# Altium PCB slave_card_pcb.PcbDoc (part 1 of 2) (continued)
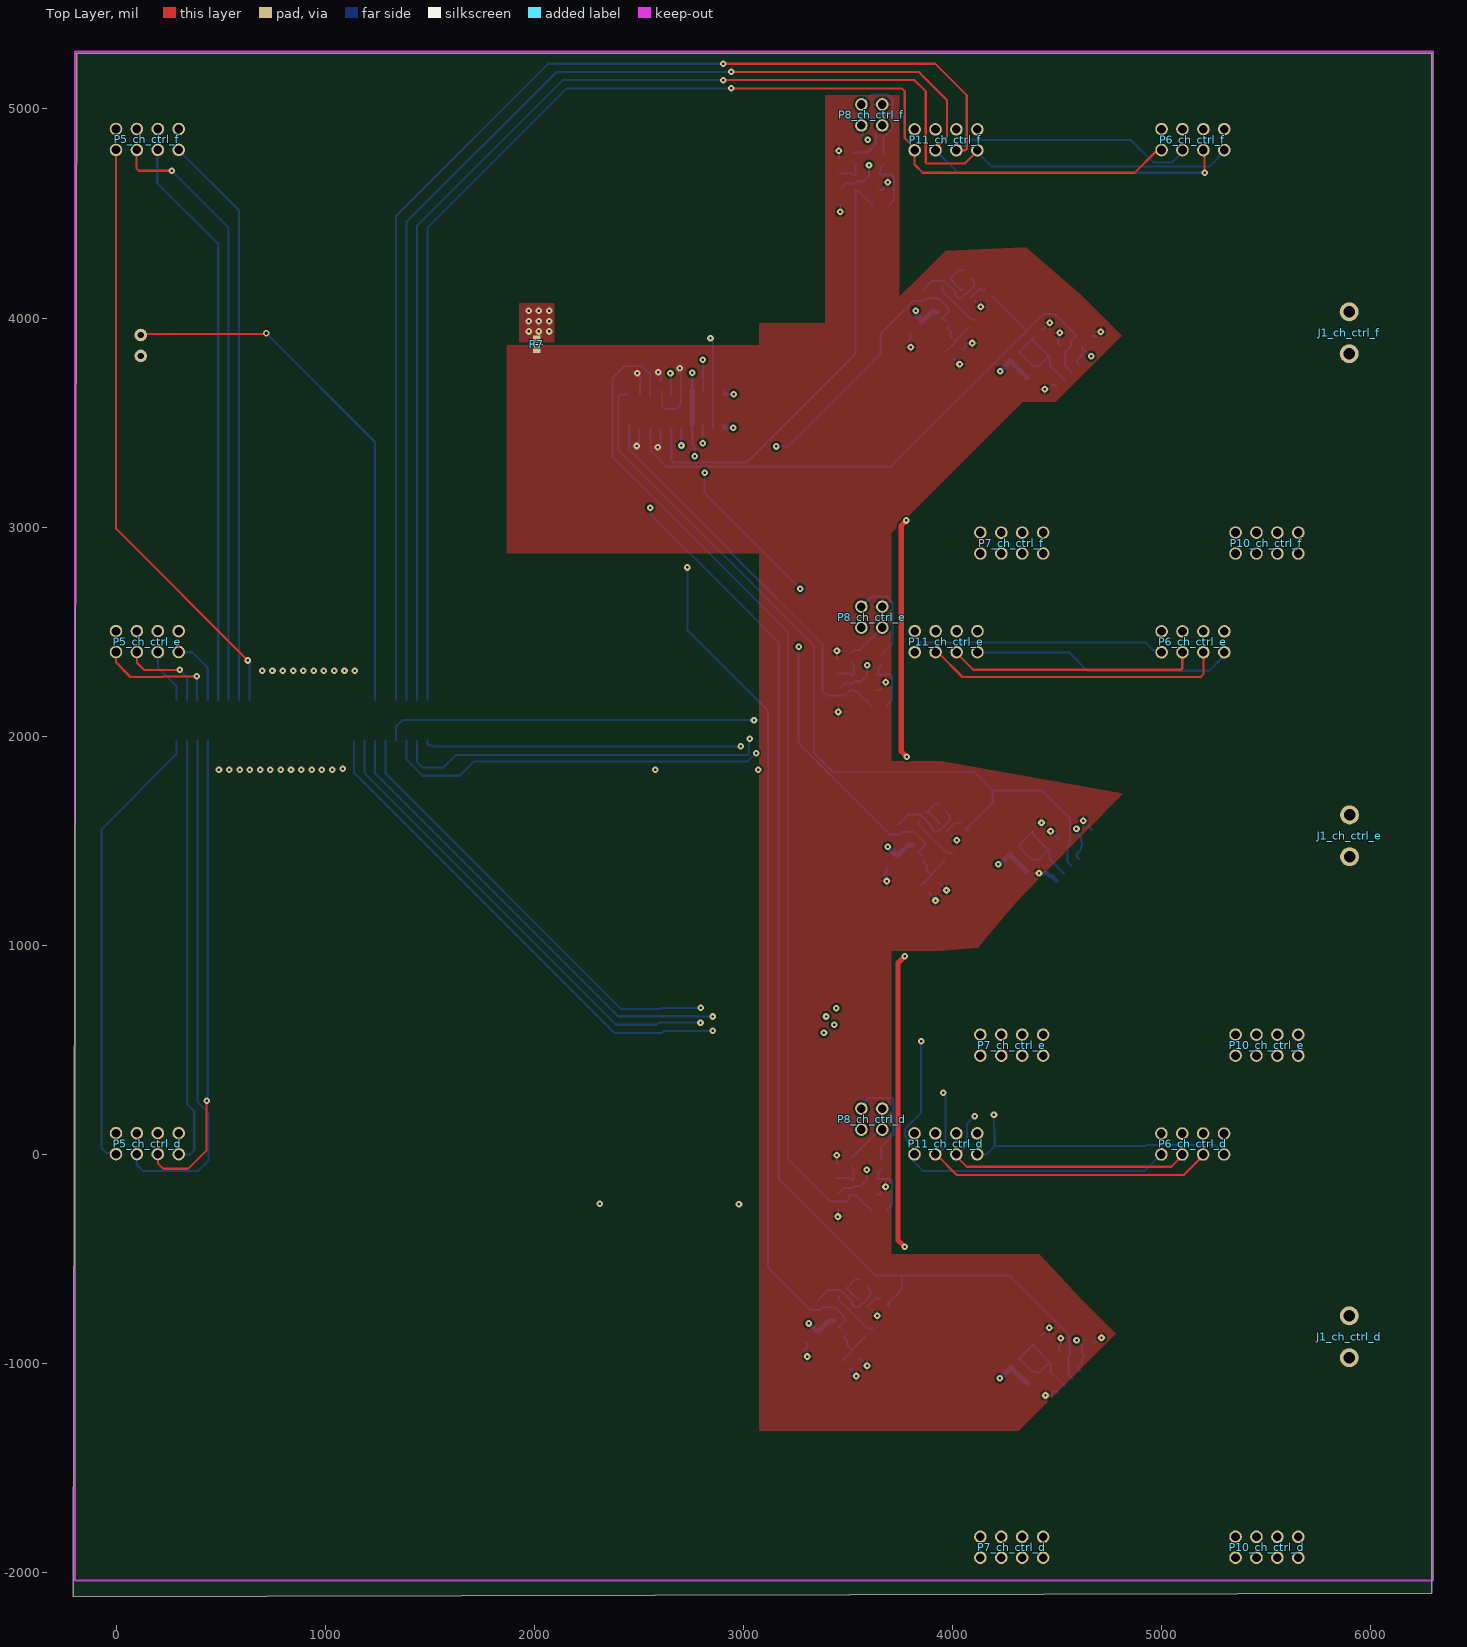
[diagram p0: Top Layer view]
## Classes and differential pairs
pad class low_clearance: U1_ch_ctrl_d-1 U1_ch_ctrl_d-2 U1_ch_ctrl_d-3 U1_ch_ctrl_d-4 U1_ch_ctrl_d-5 U1_ch_ctrl_e-1 U1_ch_ctrl_e-2 U1_ch_ctrl_e-3 U1_ch_ctrl_e-4 U1_ch_ctrl_e-5 U1_ch_ctrl_f-1 U1_ch_ctrl_f-2 U1_ch_ctrl_f-3 U1_ch_ctrl_f-4 U1_ch_ctrl_f-5 U3_isns1-1 U3_isns1-2 U3_isns1-3 U3_isns1-4 U3_isns1-5 U3_isns1-6 U3_isns1-7 U3_isns1-8 U3_isns2-1 U3_isns2-2 U3_isns2-3 U3_isns2-4 U3_isns2-5 U3_isns2-6 U3_isns2-7 U3_isns2-8 U3_isns3-1 U3_isns3-2 U3_isns3-3 U3_isns3-4 U3_isns3-5 U3_isns3-6 U3_isns3-7 U3_isns3-8 U6_isns1-1 U6_isns1-2 U6_isns1-3 U6_isns1-4 U6_isns1-5 U6_isns1-6 U6_isns1-7 U6_isns1-8 U6_isns2-1 U6_isns2-2 U6_isns2-3 U6_isns2-4 U6_isns2-5 U6_isns2-6 U6_isns2-7 U6_isns2-8 U6_isns3-1 U6_isns3-2 U6_isns3-3 U6_isns3-4 U6_isns3-5 U6_isns3-6 U6_isns3-7 U6_isns3-8
channel class current_sense: isns1 isns2 isns3
channel class channel_ctrl: ch_ctrl_d ch_ctrl_e ch_ctrl_f
component class isns3: "10nF 0603_isns3" C1_isns3 C2_isns3 C13_isns3 C24_isns3 D2_isns3 D3_isns3 R5_isns3 R6_isns3 R13_isns3 R14_isns3 R15_isns3 R16_isns3 U3_isns3 U6_isns3
component class isns2: "10nF 0603_isns2" C1_isns2 C2_isns2 C13_isns2 C24_isns2 D2_isns2 D3_isns2 R5_isns2 R6_isns2 R13_isns2 R14_isns2 R15_isns2 R16_isns2 U3_isns2 U6_isns2
component class isns1: "10nF 0603_isns1" C1_isns1 C2_isns1 C13_isns1 C24_isns1 D2_isns1 D3_isns1 R5_isns1 R6_isns1 R13_isns1 R14_isns1 R15_isns1 R16_isns1 U3_isns1 U6_isns1
component class ch_ctrl_f: C11_ch_ctrl_f J1_ch_ctrl_f P5_ch_ctrl_f P6_ch_ctrl_f P7_ch_ctrl_f P8_ch_ctrl_f P10_ch_ctrl_f P11_ch_ctrl_f R1_ch_ctrl_f R2_ch_ctrl_f R3_ch_ctrl_f R4_ch_ctrl_f U1_ch_ctrl_f
component class ch_ctrl_e: 115 C11_ch_ctrl_e J1_ch_ctrl_e P5_ch_ctrl_e P6_ch_ctrl_e P7_ch_ctrl_e P8_ch_ctrl_e P10_ch_ctrl_e P11_ch_ctrl_e R1_ch_ctrl_e R2_ch_ctrl_e R3_ch_ctrl_e R4_ch_ctrl_e U1_ch_ctrl_e
component class ch_ctrl_d: C11_ch_ctrl_d J1_ch_ctrl_d P5_ch_ctrl_d P6_ch_ctrl_d P7_ch_ctrl_d P8_ch_ctrl_d P10_ch_ctrl_d P11_ch_ctrl_d R1_ch_ctrl_d R2_ch_ctrl_d R3_ch_ctrl_d R4_ch_ctrl_d U1_ch_ctrl_d
component class tnb_mns_slave: J2 J3 P1 R7

## Components (designator, comment, footprint, x,y, rotation, side; value= is the part's Value field where it differs from the comment)
"10nF 0603_isns1" "06035C-103KAT2A" CAPC1608X90X35LL15T15 3489.64,-1006.12 r135 bottom (schematic designator "10nF 0603")
"10nF 0603_isns2" "06035C-103KAT2A" CAPC1608X90X35LL15T15 3869.7,1268.1 r135 bottom (schematic designator "10nF 0603")
"10nF 0603_isns3" "06035C-103KAT2A" CAPC1608X90X35LL15T15 3984.63,3820.49 r135 bottom (schematic designator "10nF 0603")
C1_isns1 "100nF 25V 0805" FP-CC0805-0_85-MFG 4384.72,-1073.09 r225 bottom value="100 nF" (schematic designator C1)
C1_isns2 "100nF 25V 0805" FP-CC0805-0_85-MFG 4379.3,1377.77 r225 bottom value="100 nF" (schematic designator C1)
C1_isns3 "100nF 25V 0805" FP-CC0805-0_85-MFG 4381.51,3739.52 r225 bottom value="100 nF" (schematic designator C1)
C2_isns1 "100nF 25V 0805" FP-CC0805-0_85-MFG 4489.81,-968 r225 bottom value="100 nF" (schematic designator C2)
C2_isns2 "100nF 25V 0805" FP-CC0805-0_85-MFG 4484.39,1482.86 r225 bottom value="100 nF" (schematic designator C2)
C2_isns3 "100nF 25V 0805" FP-CC0805-0_85-MFG 4486.6,3844.61 r225 bottom value="100 nF" (schematic designator C2)
C11_ch_ctrl_d "0603 50V 100nF" FP-CGA3E-0_3-0_1-IPC_A 3454.92,-223.35 r270 bottom (schematic designator C11)
C11_ch_ctrl_e "0603 50V 100nF" FP-CGA3E-0_3-0_1-IPC_A 3455.98,2189.88 r270 bottom (schematic designator C11)
C11_ch_ctrl_f "0603 50V 100nF" FP-CGA3E-0_3-0_1-IPC_A 3465.04,4581.47 r270 bottom (schematic designator C11)
C13_isns1 "0603 50V 100nF" FP-CGA3E-0_3-0_1-IPC_A 3329.57,-873.89 r225 bottom (schematic designator C13)
C13_isns2 "0603 50V 100nF" FP-CGA3E-0_3-0_1-IPC_A 3709.63,1400.33 r225 bottom (schematic designator C13)
C13_isns3 "0603 50V 100nF" FP-CGA3E-0_3-0_1-IPC_A 3824.56,3952.72 r225 bottom (schematic designator C13)
C24_isns1 "100nF 25V 0805" FP-CC0805-0_85-MFG 4645.74,-924.81 r225 bottom value="100 nF" (schematic designator C24)
C24_isns2 "100nF 25V 0805" FP-CC0805-0_85-MFG 4640.32,1526.05 r225 bottom value="100 nF" (schematic designator C24)
C24_isns3 "100nF 25V 0805" FP-CC0805-0_85-MFG 4642.53,3887.8 r225 bottom value="100 nF" (schematic designator C24)
D2_isns1 "1N914BWT" FP-502-01-MFG 3573.16,-616.38 r315 bottom value=4pF (schematic designator D2)
D2_isns2 "1N914BWT" FP-502-01-MFG 3953.22,1657.84 r315 bottom value=4pF (schematic designator D2)
D2_isns3 "1N914BWT" FP-502-01-MFG 4068.15,4210.23 r315 bottom value=4pF (schematic designator D2)
D3_isns1 "1N914BWT" FP-502-01-MFG 3475.72,-658.14 r45 bottom value=4pF (schematic designator D3)
D3_isns2 "1N914BWT" FP-502-01-MFG 3855.78,1616.08 r45 bottom value=4pF (schematic designator D3)
D3_isns3 "1N914BWT" FP-502-01-MFG 3970.71,4168.47 r45 bottom value=4pF (schematic designator D3)
J1_ch_ctrl_d "weidmuller_20A_2p_f" weidmuller_19A_2p_m 5898.67,-972.35 r90 top (schematic designator J1)
J1_ch_ctrl_e "weidmuller_20A_2p_f" weidmuller_19A_2p_m 5899.67,1423.65 r90 top (schematic designator J1)
J1_ch_ctrl_f "weidmuller_20A_2p_f" weidmuller_19A_2p_m 5897.67,3829.65 r90 top (schematic designator J1)
J2 "pin_connector_20_m" PIN_20_MALE_3220-20-0300-00 2905.91,3750.79 r270 bottom locked
J3 "pin_header_50_male_smd" pin_connector_50_m_1.27_smd 1488.58,1979.13 r90 bottom locked
P1 "Header 2H" HEADER_1_2_f 118.1,3868.9 r90 bottom
P5_ch_ctrl_d "buck_connector" header_4_2_f#1 149.61,51.18 r180 top locked (schematic designator P5)
P5_ch_ctrl_e "buck_connector" header_4_2_f#1 149.61,2452.76 r180 top locked (schematic designator P5)
P5_ch_ctrl_f "buck_connector" header_4_2_f#1 149.61,4854.33 r180 top locked (schematic designator P5)
P6_ch_ctrl_d "lega_connector" header_4_2_f#1 5149.29,49.65 r180 top locked (schematic designator P6)
P6_ch_ctrl_e "lega_connector" header_4_2_f#1 5150.47,2451.59 r180 top locked (schematic designator P6)
P6_ch_ctrl_f "lega_connector" header_4_2_f#1 5150.32,4853.65 r180 top locked (schematic designator P6)
P7_ch_ctrl_d "Header 8" header_4_2_f#2 4283.86,-1879.13 r0 top locked (schematic designator P7)
P7_ch_ctrl_e "Header 8" header_4_2_f#2 4283.86,522.44 r0 top locked (schematic designator P7)
P7_ch_ctrl_f "Header 8" header_4_2_f#2 4283.86,2924.02 r0 top locked (schematic designator P7)
P8_ch_ctrl_d "Header 4" header_2_2_f 3614.67,168.65 r270 top locked (schematic designator P8)
P8_ch_ctrl_e "Header 4" header_2_2_f 3614.67,2569.65 r270 top (schematic designator P8)
P8_ch_ctrl_f "Header 4" header_2_2_f 3614.67,4971.65 r270 top (schematic designator P8)
P10_ch_ctrl_d "Header 8" header_4_2_f#2 5504.33,-1879.13 r0 top locked (schematic designator P10)
P10_ch_ctrl_e "Header 8" header_4_2_f#2 5504.33,522.44 r0 top locked (schematic designator P10)
P10_ch_ctrl_f "Header 8" header_4_2_f#2 5504.33,2924.02 r0 top locked (schematic designator P10)
P11_ch_ctrl_d "legb_connector" header_4_2_f#1 3968.86,50.35 r180 top locked (schematic designator P11)
P11_ch_ctrl_e "legb_connector" header_4_2_f#1 3970,2452.36 r180 top locked (schematic designator P11)
P11_ch_ctrl_f "legb_connector" header_4_2_f#1 3969.29,4852.65 r180 top locked (schematic designator P11)
R1_ch_ctrl_d "Res1" "RES 0805_2012" 3653.72,-268.35 r180 bottom value=1K (schematic designator R1)
R1_ch_ctrl_e "Res1" "RES 0805_2012" 3654.78,2144.88 r180 bottom value=1K (schematic designator R1)
R1_ch_ctrl_f "Res1" "RES 0805_2012" 3663.83,4536.47 r180 bottom value=1K (schematic designator R1)
R2_ch_ctrl_d "Res1" "RES 0603_1608" 3659.92,-48.35 r270 bottom value=1K (schematic designator R2)
R2_ch_ctrl_e "Res1" "RES 0603_1608" 3660.98,2364.88 r270 bottom value=1K (schematic designator R2)
R2_ch_ctrl_f "Res1" "RES 0603_1608" 3670.04,4756.47 r270 bottom value=1K (schematic designator R2)
R3_ch_ctrl_d "Res1" "RES 0603_1608" 3519.92,-38.35 r270 bottom value=1K (schematic designator R3)
R3_ch_ctrl_e "Res1" "RES 0603_1608" 3520.98,2374.88 r270 bottom value=1K (schematic designator R3)
R3_ch_ctrl_f "Res1" "RES 0603_1608" 3530.04,4766.47 r270 bottom value=1K (schematic designator R3)
R4_ch_ctrl_d "Res1" "RES 0805_2012" 3449.92,-78.35 r270 bottom value=1K (schematic designator R4)
R4_ch_ctrl_e "Res1" "RES 0805_2012" 3450.98,2334.88 r270 bottom value=1K (schematic designator R4)
R4_ch_ctrl_f "Res1" "RES 0805_2012" 3460.04,4726.47 r270 bottom value=1K (schematic designator R4)
R5_isns1 "10k 0603 0.1%" RESC1608X55X30ML20T20 4300.51,-995.84 r225 bottom (schematic designator R5)
R5_isns2 "10k 0603 0.1%" RESC1608X55X30ML20T20 4295.09,1455.02 r225 bottom (schematic designator R5)
R5_isns3 "10k 0603 0.1%" RESC1608X55X30ML20T20 4297.3,3816.77 r225 bottom (schematic designator R5)
R6_isns1 "10k 0603 0.1%" RESC1608X55X30ML20T20 4409.78,-886.57 r225 bottom (schematic designator R6)
R6_isns2 "10k 0603 0.1%" RESC1608X55X30ML20T20 4404.36,1564.29 r225 bottom (schematic designator R6)
R6_isns3 "10k 0603 0.1%" RESC1608X55X30ML20T20 4406.57,3926.04 r225 bottom (schematic designator R6)
R7 "0" "RES 0603_1608" 2011.81,3874.02 r90 top
R13_isns1 "0603 10k" "RES 0603_1608" 3378.28,-713.82 r315 bottom value=1K (schematic designator R13)
R13_isns2 "0603 10k" "RES 0603_1608" 3758.34,1560.4 r315 bottom value=1K (schematic designator R13)
R13_isns3 "0603 10k" "RES 0603_1608" 3873.28,4112.8 r315 bottom value=1K (schematic designator R13)
R14_isns1 "0603 100" "RES 0603_1608" 3601,-853.01 r225 bottom value=1K (schematic designator R14)
R14_isns2 "0603 100" "RES 0603_1608" 3981.06,1421.21 r225 bottom value=1K (schematic designator R14)
R14_isns3 "0603 100" "RES 0603_1608" 4095.99,3973.6 r225 bottom value=1K (schematic designator R14)
R15_isns1 "0603 Jumper" "RES 0603_1608" 3677.55,-706.86 r135 bottom value=1K (schematic designator R15)
R15_isns2 "0603 Jumper" "RES 0603_1608" 4057.61,1567.36 r135 bottom value=1K (schematic designator R15)
R15_isns3 "0603 Jumper" "RES 0603_1608" 4172.54,4119.75 r135 bottom value=1K (schematic designator R15)
R16_isns1 "0603 100k" "RES 0603_1608" 3538.36,-957.4 r135 bottom value=1K (schematic designator R16)
R16_isns2 "0603 100k" "RES 0603_1608" 3918.42,1316.81 r135 bottom value=1K (schematic designator R16)
R16_isns3 "0603 100k" "RES 0603_1608" 4033.35,3869.21 r135 bottom value=1K (schematic designator R16)
U1_ch_ctrl_d "LMC7101QM5X/NOPB" DBV0005A_M 3582.54,-155.01 r0 bottom (schematic designator U1)
U1_ch_ctrl_e "LMC7101QM5X/NOPB" DBV0005A_M 3583.6,2258.21 r0 bottom (schematic designator U1)
U1_ch_ctrl_f "LMC7101QM5X/NOPB" DBV0005A_M 3592.66,4649.81 r0 bottom (schematic designator U1)
U3_isns1 "TMCS1100A1QDR" SOIC8 4760.8,-1187.1 r135 bottom (schematic designator U3)
U3_isns2 "TMCS1100A1QDR" SOIC8 4755.38,1263.77 r135 bottom (schematic designator U3)
U3_isns3 "TMCS1100A1QDR" SOIC8 4757.6,3625.51 r135 bottom (schematic designator U3)
U6_isns1 "LTC6244HMS8#TRPBF" LT-MS8-8_L 3524.44,-776.45 r225 bottom (schematic designator U6)
U6_isns2 "LTC6244HMS8#TRPBF" LT-MS8-8_L 3904.5,1497.77 r225 bottom (schematic designator U6)
U6_isns3 "LTC6244HMS8#TRPBF" LT-MS8-8_L 4019.43,4050.16 r225 bottom (schematic designator U6)

## Footprints (in the part's own frame and the unit in brackets; to place one, negate y for a bottom-side part, rotate by r counter-clockwise, add the part's x,y. Pads: shape width x height; smd on the part's side, far side on the other; paste and mask are expansions set on the pad)
CAPC1608X90X35LL15T15 [mm] "Chip Capacitor, 2-Leads, Body 1.60x0.81mm, IPC High Density"
  rect 0.85x0.9 smd: 1(-0.65,0) 2(0.65,0)
  body extent -0.88,-0.48 0.88,0.48, height 0.9
DBV0005A_M [mm] "SOT23, 5-Leads, Body 3.05x1.75mm, Pitch 0.95mm, IPC Low Density"
  rrect15% 1.2x0.65 smd mask+0.051: 1(-1.475,0.95) 2(-1.475,0) 3(-1.475,-0.95) 4(1.475,-0.95) 5(1.475,0.95)
  silkscreen extent -1.6,-1.55 0.5,1.95, body extent -1.42,-1.46 1.42,1.46, height 1.08
FP-502-01-MFG [mm]
  rect 0.48x0.4 smd paste+0 mask+0: 1(-0.66,0) 2(0.66,0)
  silkscreen extent -1.62,-0.45 0.05,0.45, body extent -0.8,-0.4 0.8,0.4, height 0.7
FP-CC0805-0_85-MFG [mm]
  rect 0.95x1.4 smd paste+0 mask+0: 1(-0.925,0) 2(0.925,0)
  silkscreen extent -0.08,-0.72 0.08,0.72, body extent -1,-0.63 1,0.63, height 0.95
FP-CGA3E-0_3-0_1-IPC_A [mm]
  rect 0.956x1.206 smd paste+0 mask+0: 1(-1.025,0) 2(1.025,0)
  silkscreen extent -0.25,-0.6 0.25,0.6, body extent -0.8,-0.4 0.8,0.4, height 1.1
HEADER_1_2_f [mil]
  round 60 hole 30: 1(-50,0) 2(50,0)
  body extent -100,-50 100,50, height 335
header_2_2_f [mil]
  round 60 hole 41.34: 1(-50,50) 2(-50,-50) 3(50,50) 4(50,-50)
  body extent -100,-100 100,100, height 335
header_4_2_f#1 [mil]
  round 60 hole 41.34: 1(-150,50) 2(-150,-50) 3(-50,50) 4(-50,-50) 5(50,50) 6(50,-50) 7(150,50) 8(150,-50)
  body extent -201,-100 199,100, height 335
header_4_2_f#2 [mil]
  round 60 hole 41.34: 1(-150,-50) 2(-150,50) 3(-50,-50) 4(-50,50) 5(50,-50) 6(50,50) 7(150,-50) 8(150,50)
  body extent -200,-100 200,100, height 335
LT-MS8-8_L [mm] "SOP, 8-Leads, Body 3x3mm, Pitch 0.65mm, IPC High Density"
  oval 1.3x0.45 smd: 1(-2.1,0.975) 2(-2.1,0.325) 3(-2.1,-0.325) 4(-2.1,-0.975) 5(2.1,-0.975) 6(2.1,-0.325) 7(2.1,0.325) 8(2.1,0.975)
  silkscreen extent -2.22,-1.55 1.05,1.87, body extent -1.55,-1.55 1.55,1.55, height 1.1
PIN_20_MALE_3220-20-0300-00 [mm]
  rect 2.77x0.65 smd: 1(2.54,0) 2(6.604,0) 3(2.54,1.27) 4(6.604,1.27) 5(2.54,2.54) 6(6.604,2.54) 7(2.54,3.81) 8(6.604,3.81) 9(2.54,5.08) 10(6.604,5.08) 11(2.54,6.35) 12(6.604,6.35) 13(2.54,7.62) 14(6.604,7.62) 15(2.54,8.89) 16(6.604,8.89) 17(2.54,10.16) 18(6.604,10.16) 19(2.54,11.43) 20(6.604,11.43)
  body extent 1.69,-3.78 7.19,15.22, height 5.4
pin_connector_50_m_1.27_smd [mm]
  rect 4.09x0.74 smd: 1(0,0)
  oval 4.09x0.74 smd: 2(0,-1.27) 3(0,-2.54) 4(0,-3.81) 5(0,-5.08) 6(0,-6.35) 7(0,-7.62) 8(0,-8.89) 9(0,-10.16) 10(0,-11.43) 11(0,-12.7) 12(0,-13.97) 13(0,-15.24) 14(0,-16.51) 15(0,-17.78) 16(0,-19.05) 17(0,-20.32) 18(0,-21.59) 19(0,-22.86) 20(0,-24.13) 21(0,-25.4) 22(0,-26.67) 23(0,-27.94) 24(0,-29.21) 25(0,-30.48) 26(4.95,-30.48) 27(4.95,-29.21) 28(4.95,-27.94) 29(4.95,-26.67) 30(4.95,-25.4) 31(4.95,-24.13) 32(4.95,-22.86) 33(4.95,-21.59) 34(4.95,-20.32) 35(4.95,-19.05) 36(4.95,-17.78) 37(4.95,-16.51) 38(4.95,-15.24) 39(4.95,-13.97) 40(4.95,-12.7) 41(4.95,-11.43) 42(4.95,-10.16) 43(4.95,-8.89) 44(4.95,-7.62) 45(4.95,-6.35) 46(4.95,-5.08) 47(4.95,-3.81) 48(4.95,-2.54) 49(4.95,-1.27) 50(4.95,0)
  body extent -1.3,-38.42 6.22,7.82, height 11.67
"RES 0603_1608" [mm] "Chip Resistor, 2-Leads, Body 1.60x0.80mm, IPC Medium Density"
  rect 0.85x0.95 smd: 1(-0.65,0) 2(0.65,0)
  silkscreen extent -1.27,-0.7 1.27,0.7, body extent -0.8,-0.4 0.8,0.4, height 0.45
"RES 0805_2012" [mm] "Chip Resistor, 2-Leads, Body 2.00x1.25mm, IPC Medium Density"
  rect 1.15x1.35 smd: 1(-0.875,0) 2(0.875,0)
  silkscreen extent -1.7,-0.9 1.7,0.9, body extent -1,-0.62 1,0.63, height 0.6
RESC1608X55X30ML20T20 [mm] "Chip Resistor, 2-Leads, Body 1.60x0.80mm, IPC Low Density"
  rect 1x1.1 smd: 1(-0.7,0) 2(0.7,0)
  body extent -0.9,-0.5 0.9,0.5, height 0.55
SOIC8 [mm]
  rect 2x0.6 smd: 1(0,0)
  oval 2x0.6 smd: 2(0,-1.27) 3(0,-2.54) 4(0,-3.81) 5(5.4,-3.81) 6(5.4,-2.54) 7(5.4,-1.27) 8(5.4,0)
  body extent -0.49,-4.45 5.49,0.45, height 1.35
weidmuller_19A_2p_m [mm]
  round 2.3 hole 1.4: 1(0,0) 2(5.08,0)
  body extent -3.4,-9.94 8.52,2.06, height 9.63

## Part data
"10nF 0603_isns1" "10nF 0603_isns2" "10nF 0603_isns3": library part CMP-2006-04374-1, Manufacturer="AVX Interconnect / Elco", Part Number=06035C-103KAT2A
C1_isns1 C1_isns2 C1_isns3 C2_isns1 C2_isns2 C2_isns3 C24_isns1 C24_isns2 C24_isns3: library part CMP-1036-04410-2, "CAP CER 0.1UF 25V X7R 0805", Capacitance="100 nF", Manufacturer=Yageo, Manufacturer Part Number=CC0805KRX7R8BB104, Package=CC0805-0.85, Temperature="-30°C to +85°C", Temperature Characteristic=X7R, Temperature Range High=+85°C, Temperature Range Low=-30°C, Tolerance=0.1, Voltage Rating="25 V", Automotive=No, Category=Cap, ComponentLink2Description=Datasheet, ComponentLink2URL=http://www.yageo.com/documents/recent/UPY-GPHC_Y5V_6.3V-to-50V_8.pdf, Device Class L1="Passive Components", Device Class L2=Capacitors, Device Class L3="Ceramic Capacitors", Digikey Description="CAP CER 0.1UF 25V X7R 0805", Footprint Url=http://www.yageo.com/exep/pages/download/literatures/UPY-C_GEN_24.pdf, Height=0.95mm, Ipc Land Pattern Name=CAPC200125X85, Lead Free=Yes, Material=Ceramic, Mouser Description="Multilayer Ceramic Capacitors MLCC - SMD/SMT 100nF 25V X7R 10%", Octopart=https://octopart.com/cc0805krx7r8bb104-yageo-39467766, RoHS=TRUE
C11_ch_ctrl_d C11_ch_ctrl_e C11_ch_ctrl_f C13_isns1 C13_isns2 C13_isns3: library part CMP-2000-07546-2, "Cap Ceramic 100nF 50V X7R 10% Pad SMD 0603 +125°C Automotive T/R / CGA3E2X7R1H104K080AA", Capacitance=100nF, Case Code (Imperial)=0603, Case Code (Metric)=1608, Dielectric=X7R, Max Operating Temperature=125°C, Min Operating Temperature=-55°C, Package Quantity=1, Ratings=AEC-Q200, Tolerance=10%, Voltage=50V, Case/Package=0603, Composition=Ceramic, Depth=0.8mm, Height=0.8mm, Lead Free="Lead Free", Length=1.6mm, Mount="Surface Mount", Packaging="Tape and Reel", Radiation Hardening=No, REACH SVHC="No SVHC", Termination=SMD/SMT, Thickness=0.035inch, Voltage Rating=50V, Voltage Rating (DC)=50V, Weight=7.1E-05oz, Width=0.8mm
D2_isns1 D2_isns2 D2_isns3 D3_isns1 D3_isns2 D3_isns3: library part CMP-07163-000008-1, "DIODE GEN PURP 75V 200MA SOD523F", Capacitance=4pF, Forward Current=300mA, Manufacturer="ON Semiconductor", Max Junction Temp=+150°C, Max Repetitive Reverse Voltage=75V, Package=502-01, Peak Reverse Current=5uA, Reverse Voltage=100V, Temperature="-55°C to +150°C", Temperature Range Low=-55°C, Automotive=No, Category=Diode, ComponentLink2Description=Datasheet, ComponentLink2URL=https://www.onsemi.com/pub/Collateral/1N914BWT-D.pdf, Device Class L1="Discrete Semiconductors", Device Class L2=Diodes, Device Class L3="Rectifier Diodes", Digikey Description="DIODE GEN PURP 75V 200MA SOD523F", Footprint Url=https://www.onsemi.com/pub/Collateral/502-01.PDF, Height=0.7mm, Ipc Land Pattern Name=SODFL16080X60, Lead Free=Yes, Manufacturer Part Number=1N914BWT, Mouser Description="Diodes - General Purpose, Power, Switching SINGLE JUNC. 100V 4.0NS COMP", Octopart=https://octopart.com/1n914bwt-on+semiconductor-84323166, RoHS=TRUE, Temperature Range High=+150°C
J1_ch_ctrl_d J1_ch_ctrl_e J1_ch_ctrl_f: "Connector Block 19A Male Receptor", Supplier Part Number 1=281-4354-ND, Supplier 1=Digi-Key
J2: Supplier Part Number 1=1175-1637-ND, Supplier 1=Digi-Key
J3: "Mating Product : 952-2565-ND", Supplier Part Number 1=952-2652-1-ND, Supplier 1=Digi-Key
P1: "Header, 2-Pin, Right Angle", LatestRevisionDate=17-Jul-2002, LatestRevisionNote="Re-released for DXP Platform.", Publisher="Altium Limited"
P5_ch_ctrl_d P5_ch_ctrl_e P5_ch_ctrl_f P6_ch_ctrl_d P6_ch_ctrl_e P6_ch_ctrl_f P11_ch_ctrl_d P11_ch_ctrl_e P11_ch_ctrl_f: library part "Header 4X2", "Header, 4-Pin, Dual row", LatestRevisionDate=17-Jul-2002, LatestRevisionNote="Re-released for DXP Platform.", Publisher="Altium Limited", System=Connector
P7_ch_ctrl_d P7_ch_ctrl_e P7_ch_ctrl_f P10_ch_ctrl_d P10_ch_ctrl_e P10_ch_ctrl_f: "Header, 8-Pin", LatestRevisionDate=17-Jul-2002, LatestRevisionNote="Re-released for DXP Platform.", Publisher="Altium Limited"
P8_ch_ctrl_d P8_ch_ctrl_e P8_ch_ctrl_f: "Header, 4-Pin", LatestRevisionDate=17-Jul-2002, LatestRevisionNote="Re-released for DXP Platform.", Publisher="Altium Limited"
R1_ch_ctrl_d R1_ch_ctrl_e R1_ch_ctrl_f R2_ch_ctrl_d R2_ch_ctrl_e R2_ch_ctrl_f R3_ch_ctrl_d R3_ch_ctrl_e R3_ch_ctrl_f R4_ch_ctrl_d R4_ch_ctrl_e R4_ch_ctrl_f: "Resistor", LatestRevisionDate=17-Jul-2002, LatestRevisionNote="Re-released for DXP Platform.", PackageDescription="Axial Device, Thru-Hole; 2 Leads; 0.3 in Pin Spacing", PackageReference=AXIAL-0.3, Published=8-Jun-2000, Publisher="Altium Limited"
R5_isns1 R5_isns2 R5_isns3 R6_isns1 R6_isns2 R6_isns3: library part CMP-2000-00874-1, "ERA-3AEB103V", Manufacturer=Panasonic, Part Number=ERA-3AEB103V
R7 R13_isns1 R13_isns2 R13_isns3 R14_isns1 R14_isns2 R14_isns3 R15_isns1 R15_isns2 R15_isns3 R16_isns1 R16_isns2 R16_isns3: library part Res1, "Resistor", LatestRevisionDate=17-Jul-2002, LatestRevisionNote="Re-released for DXP Platform.", PackageDescription="Axial Device, Thru-Hole; 2 Leads; 0.3 in Pin Spacing", PackageReference=AXIAL-0.3, Published=8-Jun-2000, Publisher="Altium Limited"
U1_ch_ctrl_d U1_ch_ctrl_e U1_ch_ctrl_f: library part CMP-0055-01329-3, "Tiny Low power Operational Amplifier with Rail-to-Rail Input and Output, 5-pin SOT-23, Pb-Free", Manufacturer="Texas Instruments", Package Reference=DBV0005A, PackageTopMarking=AT6A*XTT, PowerWise=N, ComponentLink1Description="Datasheet URL", ComponentLink1URL=http://www.ti.com/general/docs/lit/getliterature.tsp?genericPartNumber=LMC7101Q-Q1&fileType=pdf, CompType=Amplifiers, PackageDescription="Molded SOT-23, .115 x .063 x .040 in Body, 5 Lead, .0375 in Pitch", PinCount=5, RoHS=Y
U3_isns1 U3_isns2 U3_isns3: "TMCS1100A1QDR / 50mV/A , 1.8mOhm , 3V-5.5V", Supplier Part Number 1=296-TMCS1100A1QDRCT-ND, Supplier 1=Digi-Key
U6_isns1 U6_isns2 U6_isns3: library part CMP-0359-00848-2, "Dual Channel, Low Noise, CMOS Operational Amplifier, RRO, 50 MHz Typical GBW, 35 V/us Typical SR, 2.8 to 6 V, 8-Pin SOP (MS8-8), High Temperature / Automotive, Pb-Free, Reel", Linear Technology Part Number=LTC6244, Manufacturer="Linear Technology", Channels (#)=2, ComponentLink1Description="Manufacturer URL", ComponentLink1URL=http://www.linear.com/, ComponentLink2Description=Datasheet, ComponentLink2URL=http://cds.linear.com/docs/en/datasheet/6244fb.pdf, ComponentLink3Description="Package Specification", ComponentLink3URL=http://cds.linear.com/docs/en/packaging/05081610_G_SO8.pdf, DatasheetVersion="Rev. B", GBW (MHz) Typical=50, Is (mA) Typical=6.25, Mounting Technology="Surface Mount", PackageDescription="8-Lead Plastic Small Outline, Body 3.9 x 4.9 mm, Pitch 1.27 mm", PackageReference=LT-MS8-8, PackageVersion="Rev G", Packing=Reel, PartNumber=LTC6244HMS8#TRPBF, RevisionNote="URLs updated", RoHS=Pb-Free, SR (V/us) Typical=35, Type=VFB, Vos (mV) Typical=0.04, Vs Max (V)=6, Vs Min (V)=2.8

## Via types
v1: diameter 31.5, hole 11.81, Top Layer to Bottom Layer, tented both sides, 132 vias
v2: diameter 31.5, hole 15.75, Top Layer to Bottom Layer, 1 vias

## Nets (pads, with @x,y where several pads share a name; then routed paths per layer and width w, separated by ;. In a path a pad name is that pad's centre, name@x,y a point inside that pad or via, vN(x,y) a via of type N, cw(c..) or ccw(c..) an arc to the next point about the centre after c; other vN are vias at no path point)
+3.3: J2.3 J2.4 J3.34 J3.35 J3.36 J3.37 J3.38 J3.39 J3.40 J3.41 J3.42 J3.43 P5_ch_ctrl_d.2 P5_ch_ctrl_d.4 P5_ch_ctrl_e.2 P5_ch_ctrl_e.4 P5_ch_ctrl_f.2 P5_ch_ctrl_f.4 P6_ch_ctrl_d.2 P6_ch_ctrl_d.4 P6_ch_ctrl_e.2 P6_ch_ctrl_e.4 P6_ch_ctrl_f.2 P6_ch_ctrl_f.4 P11_ch_ctrl_d.2 P11_ch_ctrl_d.4 P11_ch_ctrl_e.2 P11_ch_ctrl_e.4 P11_ch_ctrl_f.2 P11_ch_ctrl_f.4 | length 3972.9
  Int1 (GND) w25: v1(2979.28,-238.94) 3698.06,-238.94 3858.27,-78.74 ; v1(3070.87,1840.55) 3927.17,1840.55 4212.6,2125.98 4212.6,2293.31
  Int2 (PWR) w25: v1(2312.99,-236.22) 2644.15,-236.22 2646.87,-238.94 v1(2979.28,-238.94) ; v1(2578.74,1840.55) v1(3070.87,1840.55)
  Bottom Layer w10: v1(2843.03,3904.3) 2843.03,3899.94 2855.28,3887.69 J2.4@2855.28,3468.61
  other v1: 698.82,2312.99 748.03,2312.99 797.24,2312.99 846.46,2312.99 895.67,2312.99 944.88,2312.99 994.09,2312.99 1043.31,2312.99 1092.52,2312.99 1141.73,2312.99
+3ref: C1_isns1.2 C1_isns2.2 C1_isns3.2 J2.7 J2.8 R5_isns1.2 R5_isns2.2 R5_isns3.2 | length 8653.2
  Top Layer w25: v1(3772.05,-442.13) 3740.33,-410.41 3740.33,914.94 v1(3772.19,946.8) ; v1(3779.65,3031.93) 3755.21,3007.48 3755.21,1928.2 v1(3781.77,1901.64)
  Int2 (PWR) w25: v1@2767.5,3339.47 3455.02,3339.47 3772.05,3022.44 3779.65,3030.04 v1(3779.65,3031.93) ; v1(3772.05,-442.13) 3772.05,-616.49 v1(4227.32,-1071.77) ; v1(3772.19,946.8) 3772.19,1415.39 3768.15,1419.43 3768.15,1886.26 3781.77,1899.88 v1(3781.77,1901.64) 4219.34,1464.06 v1(4219.34,1387.86)
  Int2 (PWR) w50: v1(2755.56,3737.58) 4004.3,3737.58 4013.18,3728.69 4211.37,3728.69 v1(4228.79,3746.11)
  Bottom Layer w10: J2.7@2748.43,3633.57 2748.43,3650.79 2756.03,3658.39 2755.73,3658.69 2755.73,3737.41 v1(2755.56,3737.58)
  Bottom Layer w12: J2.8@2755.64,3474.1 2755.64,3393.55 2768.11,3381.08 2768.11,3340.79 v1(2766.79,3339.47)
  Bottom Layer w25: J2.8@2755.91,3490.79 2755.91,3633.57 J2.7@2755.91,3650.79 ; v1(4219.34,1387.86) 4227.92,1387.86 R5_isns2.2@4275.6,1435.54 4275.6,1432.75 4353.55,1354.8 C1_isns2.2@4353.55,1352.02 ; v1(4227.32,-1071.77) 4281.02,-1018.07 R5_isns1.2@4281.02,-1015.33 ; v1(4228.79,3746.11) 4228.79,3748.26 R5_isns3.2@4277.81,3797.28 4277.81,3794.5 4355.76,3716.55 C1_isns3.2@4355.76,3713.77 ; R5_isns1.2@4281.02,-1018.11 4358.97,-1096.06 C1_isns1.2@4358.97,-1098.84
+5A: C11_ch_ctrl_d.1 C11_ch_ctrl_e.1 C11_ch_ctrl_f.1 C13_isns1.1 C13_isns2.1 C13_isns3.1 C24_isns1.2 C24_isns2.2 C24_isns3.2 J2.1 J2.2 P8_ch_ctrl_d.4 P8_ch_ctrl_e.4 P8_ch_ctrl_f.4 U1_ch_ctrl_d.2 U1_ch_ctrl_e.2 U1_ch_ctrl_f.2 U3_isns1.8 U3_isns2.8 U3_isns3.8 U6_isns1.8 U6_isns2.8 U6_isns3.8 | length 4498.9
  Int1 (GND) w25: 3693.31,3849.21 3724.83,3817.69 v1(4663.27,3817.69) ; 3712.99,-757.09 4462.09,-757.09 v1(4593.73,-888.73) ; 3870.47,1644.49 4505.54,1644.49 v1(4593.45,1556.58)
  Bottom Layer w10: J2.2@2899.68,3487.91 2898.11,3491.12 J2.2@2905.91,3490.79 ; J2.2@2905.91,3475.2 J2.2@2906.32,3475.62 ; J2.1@2905.91,3650.79 2905.91,3643.88 J2.1@2913.7,3636.08 ; C11_ch_ctrl_d.1@3454.92,-182.99 3459.84,-182.99 3473.67,-169.17 3473.67,-166.98 3479.52,-161.12 3524.07,-161.12 3534.65,-150.55 3562.72,-150.55 3590.97,-122.29 v1(3590.97,-73.07) ; C11_ch_ctrl_e.1@3455.98,2230.24 3460.91,2230.24 3474.73,2244.06 3474.73,2246.25 3480.59,2252.11 3525.14,2252.11 3535.71,2262.68 3563.78,2262.68 3592.04,2290.93 v1(3592.04,2340.16) ; C11_ch_ctrl_f.1@3465.04,4621.83 3469.96,4621.83 3483.78,4635.65 3483.78,4637.84 3489.64,4643.7 3534.19,4643.7 3544.76,4654.27 3572.83,4654.27 3601.09,4682.52 v1(3601.09,4731.75) ; P8_ch_ctrl_f.4@3564.67,4921.65 3571.39,4914.93 3571.39,4876.65 v1(3594.88,4853.15) ; v1(4593.45,1556.58) 4597.57,1552.46 4597.57,1536.67 4614.57,1519.68 C24_isns2.2@4614.57,1500.3 4620.83,1494.04 4620.83,1474.66 4614.57,1468.4 4614.57,1455.51 4593.55,1434.5 4593.55,1425.6 U3_isns2.8@4605.05,1414.1 ; v1(4593.73,-888.73) 4619.99,-914.98 C24_isns1.2@4619.99,-950.57 4626.25,-956.83 4626.25,-976.21 4619.99,-982.47 4619.99,-995.35 4598.97,-1016.37 4598.97,-1025.27 U3_isns1.8@4610.47,-1036.77 ; U3_isns3.8@4607.27,3775.84 4595.76,3787.34 4595.76,3796.24 4616.78,3817.26 4616.78,3830.14 4623.04,3836.41 C24_isns3.2@4623.04,3855.78 ; C24_isns3.2@4616.78,3862.05 C24_isns3.2@4623.04,3855.78 ; v1(4663.27,3817.69) 4661.13,3817.69 C24_isns3.2@4623.04,3855.78
  Bottom Layer w20: J2.2@2906.32,3475.62 v1(2952.44,3475.62) ; J2.1@2913.7,3636.08 v1(2954.92,3636.08)
  Bottom Layer w25: v1(3312.39,-808.75) 3312.69,-808.75 3349.29,-845.35 C13_isns1.1@3358.1,-845.35 3406.12,-797.33 3433.96,-797.33 ; v1(3691.44,1471.14) 3691.44,1469.98 3732.55,1428.86 C13_isns2.1@3738.16,1428.86 3786.18,1476.89 3814.02,1476.89 ; v1(3824.15,4035.7) 3825.39,4034.46 3825.39,4017.9 3853.09,3990.2 C13_isns3.1@3853.09,3981.26 3901.11,4029.28 3928.95,4029.28
AGND: "10nF 0603_isns1.1" "10nF 0603_isns2.1" "10nF 0603_isns3.1" C2_isns1.1 C2_isns2.1 C2_isns3.1 C11_ch_ctrl_d.2 C11_ch_ctrl_e.2 C11_ch_ctrl_f.2 C13_isns1.2 C13_isns2.2 C13_isns3.2 C24_isns1.1 C24_isns2.1 C24_isns3.1 J2.9 J2.13 J2.14 J2.17 J2.18 P8_ch_ctrl_d.1 P8_ch_ctrl_e.1 P8_ch_ctrl_f.1 R4_ch_ctrl_d.1 R4_ch_ctrl_e.1 R4_ch_ctrl_f.1 R6_isns1.1 R6_isns2.1 R6_isns3.1 R7.1 R16_isns1.1 R16_isns2.1 R16_isns3.1 U1_ch_ctrl_d.5 U1_ch_ctrl_e.5 U1_ch_ctrl_f.5 U3_isns1.5 U3_isns2.5 U3_isns3.5 U6_isns1.4 U6_isns2.4 U6_isns3.4 | length 2472.2
  Bottom Layer w10: v1(2490.26,3388.04) 2490.26,3393.31 2501.59,3404.65 J2.18@2501.59,3474.1 ; v1(2493.56,3736.59) 2493.56,3730.77 2505.45,3718.88 J2.17@2505.45,3632.96 ; v1(2591,3382.89) 2591,3387.34 2603.16,3399.49 J2.14@2603.16,3468.87 ; v1(2592.98,3741.78) 2592.98,3735.96 2605.91,3723.03 2605.91,3700.32 2605.51,3699.92 J2.13@2598.51,3699.92 ; J2.13@2605.91,3650.79 2611.91,3644.79 2611.91,3579.72 2625.96,3565.67 2680.28,3565.67 2701.72,3587.12 2701.72,3646.61 J2.9@2705.91,3650.79 ; v1(2696.19,3760.22) 2696.19,3729.42 2701.15,3724.47 J2.9@2701.15,3650.79 ; C13_isns1.2@3301.03,-902.42 3304.51,-905.9 3304.51,-925.45 3292.26,-937.7 3292.26,-952.95 v1(3306.18,-966.87) ; v1(3446.84,-4.94) 3446.84,-40.81 R4_ch_ctrl_d.1@3449.92,-43.9 ; v1(3447.9,2408.29) 3447.9,2372.41 R4_ch_ctrl_e.1@3450.98,2369.33 ; v1(3452.68,-297.33) 3454.59,-295.42 3454.59,-288.68 3454.92,-288.35 C11_ch_ctrl_d.2@3454.92,-263.7 ; v1(3453.74,2115.9) 3455.65,2117.81 3455.65,2124.55 3455.98,2124.88 C11_ch_ctrl_e.2@3455.98,2149.53 ; v1(3456.96,4799.88) 3456.96,4764 R4_ch_ctrl_f.1@3460.04,4760.92 ; v1(3462.8,4507.49) 3464.71,4509.4 3464.71,4516.14 3465.04,4516.47 C11_ch_ctrl_f.2@3465.04,4541.12 ; 3507.74,-1024.22 3539.21,-1055.7 v1(3539.21,-1060.14) ; R16_isns1.1@3556.45,-975.5 3582.62,-1001.67 3591.53,-1001.67 3591.53,-1011.64 v1(3591.75,-1011.86) ; U6_isns1.4@3610.04,-745.13 3613.38,-745.13 v1(3640.25,-772) ; U1_ch_ctrl_d.5@3640.61,-192.42 3651.44,-192.42 3676.13,-167.73 3676.13,-159.72 v1(3680.24,-155.6) ; U1_ch_ctrl_e.5@3641.67,2220.81 3652.5,2220.81 3677.19,2245.5 3677.19,2253.51 v1(3681.3,2257.63) ; U1_ch_ctrl_f.5@3650.73,4612.4 3661.56,4612.4 3686.25,4637.09 3686.25,4645.1 v1(3690.36,4649.22) ; C13_isns2.2@3681.09,1371.79 3684.57,1368.32 3684.57,1348.77 3672.32,1336.52 3672.32,1321.27 v1(3686.24,1307.35) ; C13_isns3.2@3796.02,3924.19 3799.5,3920.71 3799.5,3901.16 3787.25,3888.91 3787.25,3873.66 v1(3801.17,3859.74) ; 3887.8,1250 3919.27,1218.52 v1(3919.27,1214.08) ; R16_isns2.1@3936.51,1298.72 3962.68,1272.55 3971.59,1272.55 3971.59,1262.58 v1(3971.81,1262.36) ; U6_isns2.4@3990.1,1529.08 3993.44,1529.08 v1(4020.31,1502.22) ; 4002.73,3802.39 4011.25,3802.39 v1(4034.2,3779.44) ; R16_isns3.1@4051.44,3851.11 4076.78,3876.45 4091.7,3876.45 v1(4095.81,3880.56) ; U6_isns3.4@4105.03,4081.48 4108.37,4081.48 v1(4135.24,4054.61) ; R6_isns2.1@4423.84,1583.78 4423.84,1584.69 v1(4426.18,1587.02) ; R6_isns3.1@4426.05,3945.53 4433.43,3945.53 v1(4466.2,3978.29) ; R6_isns1.1@4429.26,-867.09 4429.26,-863.8 v1(4463.79,-829.28) ; v1(4442.2,3659.43) 4446.31,3663.54 4463.06,3663.54 4480.8,3681.28 4489.7,3681.28 U3_isns3.5@4501.2,3669.78 ; v1(4445.41,-1153.18) 4449.52,-1149.07 4466.27,-1149.07 4484.01,-1131.33 4492.91,-1131.33 U3_isns1.5@4504.41,-1142.84 ; v1(4469.45,1545.54) 4506.37,1508.61 C2_isns2.1@4510.14,1508.61 ; C2_isns3.1@4512.36,3870.36 4506.09,3876.62 4506.09,3915.35 4514.09,3923.35 v1(4514.09,3929.17) ; C2_isns1.1@4515.56,-942.25 4510.6,-937.29 4510.6,-917.91 4518.93,-909.58 v1(4518.93,-878.83) ; v1(4625.73,1595.33) 4666.07,1554.99 C24_isns2.1@4666.07,1551.8 ; C24_isns3.1@4668.28,3913.55 4668.67,3913.15 4688.05,3913.15 v1(4709.91,3935.02) ; C24_isns1.1@4671.49,-899.06 4671.88,-899.46 4691.26,-899.46 v1(4713.12,-877.59)
  Bottom Layer w19.68: v1(4414.23,1345.23) 4452.89,1345.23 4468,1330.12 4476.9,1330.12 U3_isns2.5@4498.99,1308.03
brdg_en_chd: J3.5 P6_ch_ctrl_d.1 P11_ch_ctrl_d.1 | length 5146
  Int1 (GND) w10: v1(2795.47,700.59) 2796.35,699.7 3444,699.7 v1(3444.88,698.82)
  Int2 (PWR) w10: v1(3444.88,698.82) 3740.16,698.82 4198.93,240.05 v1(4198.93,190.18)
  Bottom Layer w10: J3.5@1288.58,1979.13 1288.58,1821.97 2414.31,696.24 2599.81,696.24 2604.15,700.59 v1(2795.47,700.59) ; P11_ch_ctrl_d.1@4118.86,0.35 4118.98,0.47 4163.86,0.47 4202.76,39.37 ; v1(4198.93,190.18) 4198.93,123.62 4202.76,119.79 4202.76,39.37 ; P6_ch_ctrl_d.1@5299.29,-0.35 5254.29,44.65 4926.54,44.65 4921.26,39.37 4202.76,39.37
brdg_en_che: J3.3 P6_ch_ctrl_e.1 P11_ch_ctrl_e.1 | length 4523
  Int1 (GND) w10: v1(3061.02,1919.29) 3474.41,1919.29 3533.15,1978.03 3956.38,1978.03 4129.64,2151.29 4129.64,2371.51 4129.57,2371.58 4129.57,2404.29 P11_ch_ctrl_e.1@4129.64,2404.36
  Bottom Layer w10: J3.3@1388.58,1979.13 1388.58,1888.98 1466.54,1811.02 1643.7,1811.02 1712.6,1879.92 3021.65,1879.92 v1(3061.02,1919.29) ; P11_ch_ctrl_e.1@4127.44,2400.8 4557.86,2400.8 4645.67,2312.99 5228.15,2312.99 5286.79,2371.63 5286.79,2374.38 5315.04,2402.63 P6_ch_ctrl_e.1@5317.78,2402.63
brdg_en_chf: J3.49 P6_ch_ctrl_f.1 P11_ch_ctrl_f.1 | length 6911.2
  Top Layer w10: v1(2903.54,5137.8) 3818.9,5137.8 3872.42,5084.28 3872.42,4745.16 3878.27,4739.31 4058.25,4739.31 P11_ch_ctrl_f.1@4136.39,4817.45
  Bottom Layer w10: J3.49@1438.58,2174.02 1438.58,4440.55 2135.83,5137.8 v1(2903.54,5137.8) ; P11_ch_ctrl_f.1@4116.51,4795.39 4187.49,4724.41 5192.74,4724.41 5193.96,4725.63 5219.43,4725.63 5220.51,4724.55 5228.8,4724.55 P6_ch_ctrl_f.1@5313.15,4808.9
brgd_h_chd: J3.8 P6_ch_ctrl_d.3 P11_ch_ctrl_d.5 | length 5305.3
  Top Layer w10: P11_ch_ctrl_d.5@3924.32,-1.15 4021.6,-98.43 5106.62,-98.43 P6_ch_ctrl_d.3@5215.11,10.07
  Int1 (GND) w10: v1(2854.33,590.55) 3113.1,590.55 3122.94,580.71 v1(3385.83,580.71)
  Int2 (PWR) w10: v1(3385.83,580.71) 3673.04,580.71 3956.69,297.05 v1(3956.69,295.28)
  Bottom Layer w10: J3.8@1138.58,1979.13 1138.58,1824.02 2381.89,580.71 2610.28,580.71 2620.12,590.55 v1(2854.33,590.55) ; P11_ch_ctrl_d.5@3929.22,1.91 3967.43,40.12 3967.43,278.72 3956.69,289.46 v1(3956.69,295.28)